# Altium PCB RK_NVR_DEMO1_RK3588_LP4XD200P232SD8_V21_20211228_final_lint.PcbDoc (part 19 of 29) (continued)
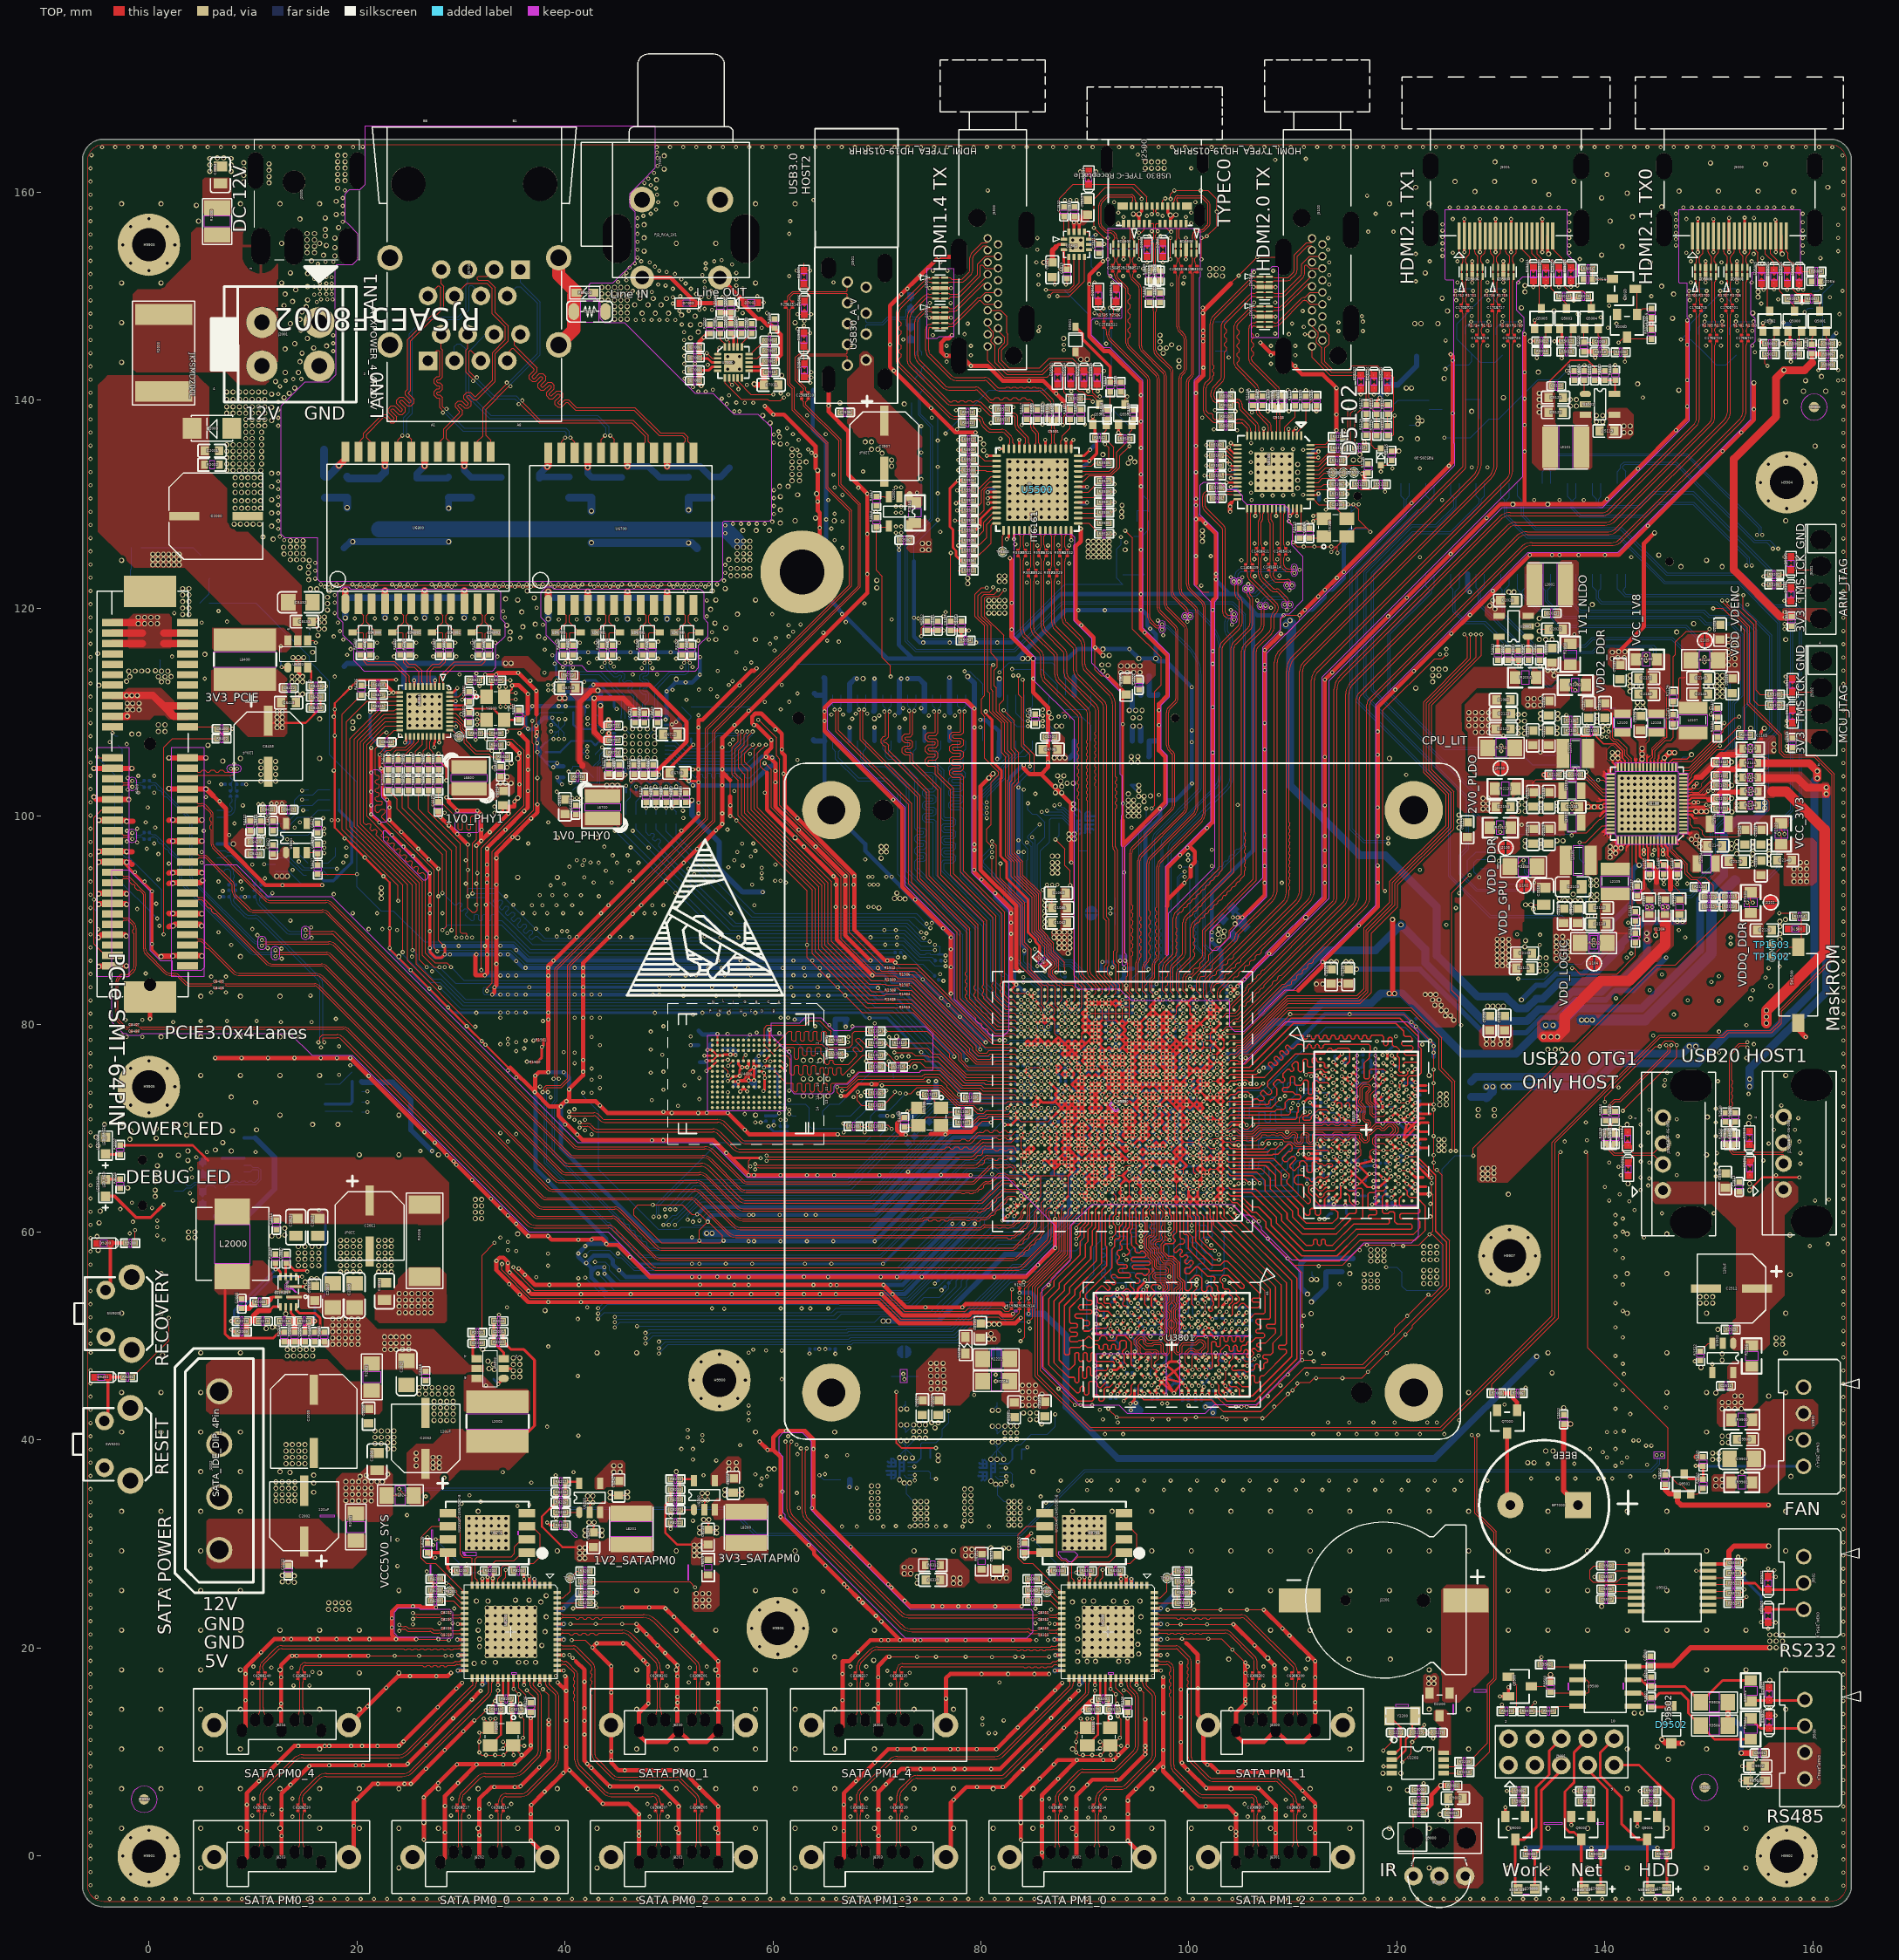
[diagram p0: TOP view]
## Nets (pads, with @x,y where several pads share a name; then routed paths per layer and width w, separated by ;. In a path a pad name is that pad's centre, name@x,y a point inside that pad or via, vN(x,y) a via of type N, cw(c..) or ccw(c..) an arc to the next point about the centre after c; other vN are vias at no path point) (continued)
  L6-S2 w0.089: 86.148,59.559 87.164,60.575 ; 88.079,61.794 88.079,62.04 88.155,62.116 88.155,64.115 88.82,64.781 v4(89.065,64.781)
  L6-S2 w0.102: v4(82.999,54.496) 83.303,54.496 83.507,54.699 84.116,54.699 86.148,56.731 86.148,59.559 ; 87.164,60.575 87.672,61.083 87.672,61.388 88.079,61.794
  other v3: 82.999,54.496 89.065,64.781
  other v12: 82.999,54.496 89.065,64.781
N16138422: D5003.2 R5013.1 R5019.1 | length 3.1
  TOP w0.254: R5013.1@136.496,149.981 136.602,149.981 v4(136.993,149.59) 137.384,149.981 R5019.1@137.494,149.981
  BOTTOM w0.254: D5003.2@135.467,150.156 136.427,150.156 v4(136.993,149.59)
  other v3: 136.993,149.59
N16170615: D1500.1 R1514.2 SW1500.1 TP1502.1 | length 6.1
  TOP w0.102: TP1502.1@156.049,86.5 156.963,87.414 SW1500.1@158.589,87.414 158.919,87.745 D1500.1@158.919,89.161 158.919,90.139 R1514.2@159.141,90.361
N16183282: L2500.2 R2508.2 R2509.1 | length 1.3
  TOP w0.084: R2508.2@96.207,150.298 96.536,150.627 ccw(c96.351,150.813) 96.613,150.813 96.613,150.937 ccw(c96.021,150.937) L2500.2@96.439,151.356
N16183296: L2500.4 R2506.1 R2507.2 | length 1.3
  TOP w0.084: L2500.4@96.99,151.356 ccw(c97.408,150.937) 96.816,150.937 96.816,150.813 ccw(c97.078,150.813) 96.893,150.627 R2507.2@97.223,150.298
N16185430: L2502.4 R2524.2 R2525.1 | length 1.7
  TOP w0.084: R2525.1@140.061,69.399 140.061,69.691 140.145,69.775 140.333,69.775 140.417,69.859 140.417,70.356 R2524.2@140.061,70.711
N16185436: L2502.2 R2522.1 R2523.2 | length 1.7
  TOP w0.084: R2522.1@140.976,69.399 140.976,69.691 140.892,69.775 140.704,69.775 140.62,69.859 140.62,70.356 R2523.2@140.976,70.711
N16185534: L2503.4 R2530.2 R2531.1 | length 1.5
  TOP w0.084: R2531.1@151.618,69.373 151.618,69.478 151.974,69.833 151.974,70.229 R2530.2@151.618,70.584
N16185540: L2503.2 R2527.1 R2528.2 | length 1.5
  TOP w0.084: R2527.1@152.533,69.373 152.533,69.478 152.177,69.833 152.177,70.229 R2528.2@152.533,70.584
N16213943: Q5005.2 R5021.2 R5023.2 | length 2.3
  TOP w0.102: R5023.2@134.345,144.688 R5021.2@134.345,145.663 134.345,146.706 Q5005.2@134.545,146.905
N16214662: Q5003.2 R5012.2 R5015.2 | length 2.3
  TOP w0.102: R5015.2@136.75,144.647 R5012.2@136.75,145.676 136.75,146.706 Q5003.2@136.949,146.905
N16214690: C5005.2 Q5004.2 R5018.2 R5020.2 | length 3.6
  TOP w0.102: Q5004.2@139.356,146.905 139.356,146.214 C5005.2@139.938,145.631 139.968,145.601 R5018.2@139.968,144.634 141.051,144.634 R5020.2@141.07,144.615
N16215512: Q5002.2 R5009.2 R5011.2 | length 2.3
  TOP w0.102: R5011.2@156.296,144.412 156.291,144.417 R5009.2@156.291,145.409 156.291,146.452 Q5002.2@156.491,146.651
N16223203: R4734.2 U4700.57 | length 3.2
  BOTTOM w0.102: R4734.2@85.785,114.135 85.843,114.135 87.37,112.609 U4700.57@87.37,111.636
N16223207: R4736.2 U4700.59 | length 2.6
  BOTTOM w0.102: R4736.2@88.021,114.135 88.021,113.268 88.169,113.119 U4700.59@88.169,111.636
N16223211: R4735.1 U4700.58 | length 3.4
  TOP w0.102: R4735.1@85.234,108.91 85.481,109.157 v4(85.945,109.157)
  BOTTOM w0.102: v4(85.945,109.157) 86.148,109.157 87.37,107.935 U4700.58@87.37,107.236
  other v3: 85.945,109.157
N16380820: R5534.1 U5500.15 | length 2.4
  TOP w0.102: U5500.15@89.362,128.157 90.37,128.157 R5534.1@91.388,127.14
N16380832: R5535.1 U5500.16 | length 2.2
  TOP w0.102: U5500.16@89.362,128.657 90.887,128.657 R5535.1@91.388,128.156
N16380844: R5536.1 U5500.17 | length 2
  TOP w0.102: U5500.17@89.362,129.157 91.373,129.157 R5536.1@91.388,129.172
N16380856: R5537.1 U5500.18 | length 2.2
  TOP w0.102: U5500.18@89.362,129.657 90.857,129.657 R5537.1@91.388,130.188
N16380868: R5541.1 U5500.21 | length 2.5
  TOP w0.102: U5500.21@89.362,131.157 90.325,131.157 R5541.1@91.388,132.22
N16380872: R5539.1 U5500.20 | length 2.3
  TOP w0.102: U5500.20@89.362,130.657 90.841,130.657 R5539.1@91.388,131.204
N16380906: TP5500.1 U5500.1 | length 2.1
  TOP w0.102: TP5500.1@82.084,125.413 82.084,126.937 82.187,127.04 U5500.1@82.187,127.482
N16381471: R5511.1 R5556.1 U5500.56 | length 5.7
  TOP w0.102: R5511.1@79.283,123.596 R5556.1@79.283,124.562 80.967,126.245 80.967,127.953 81.171,128.157 U5500.56@81.512,128.157
N16381480: R5510.1 U5500.55 | length 4.3
  TOP w0.102: R5510.1@79.283,125.527 80.56,126.804 80.56,128.054 81.163,128.657 U5500.55@81.512,128.657
N16381489: R5508.1 U5500.54 | length 3.8
  TOP w0.102: R5508.1@79.283,126.492 80.255,127.464 80.255,128.258 81.155,129.157 U5500.54@81.512,129.157
N16382688: R5531.1 U5500.31 | length 3.2
  TOP w0.102: U5500.31@87.687,135.332 87.687,136.095 87.837,136.246 87.837,136.568 88.587,137.317 R5531.1@88.587,138.171
N16383026: R5538.1 U5500.26 | length 2.1
  TOP w0.102: U5500.26@89.362,133.657 90.633,133.657 90.923,133.947 R5538.1@91.388,133.947
N16397911: C5515.2 R5553.2 R5554.1 U5501.5 | length 3.6
  TOP w0.254: C5515.2@77.106,117.851 R5553.2@78.122,117.851 ; R5554.1@78.078,116.878 78.122,116.922 R5553.2@78.122,117.851 ; v4(78.833,117.851) R5553.2@78.122,117.851
  BOTTOM w0.254: U5501.5@77.975,117.691 78.673,117.691 v4(78.833,117.851)
  other v3: 78.833,117.851
N16397919: C5531.1 R5552.2 U5501.1 | length 2.9
  TOP w0.254: R5552.2@74.871,117.851 C5531.1@75.887,117.851 v4(76.42,117.851)
  BOTTOM w0.254: U5501.1@75.175,117.691 76.235,117.691 76.395,117.851 v4(76.42,117.851)
  other v3: 76.42,117.851
N16397971: L5501.1 U5501.3
N16398461: C5504.2 Q5500.1 R5545.2 R5546.1 | length 3.8
  BOTTOM w0.102: C5504.2@95.031,128.359 R5545.2@95.031,129.375 96.047,129.375 R5546.1@96.105,129.317 96.105,130.343 Q5500.1@95.633,130.815
N16398493: Q5503.3 R5546.2 | length 2.6
  BOTTOM w0.102: Q5503.3@94.683,126.919 95.478,126.919 96.105,127.546 R5546.2@96.105,128.417
N16398519: C5512.1 Q5503.1 R5549.2 R5551.1 | length 3.6
  BOTTOM w0.102: R5549.2@93.667,123.221 C5512.1@94.683,123.221 R5551.1@95.699,123.221 95.633,123.287 Q5503.1@95.633,124.719
N16404713: D5501.2 R5543.1 R5548.1 | length 7.7
  TOP w0.305: D5501.2@89.095,147.034 89.806,146.323 89.806,145.834 92.447,143.193 R5543.1@92.447,141.712 R5548.1@93.463,141.712
N16955658: Q9501.3 R9902.2 R9905.2 U9900.4 | length 14.4
  TOP w0.254: Q9501.3@147.616,36.726 148.091,36.252 R9902.2@149.445,36.252 R9905.2@149.445,37.485 149.401,37.529 v4(148.734,37.529)
  BOTTOM w0.254: v4(148.734,37.529) 148.937,37.529 148.988,37.478 U9900.4@159.097,37.478
  other v3: 148.734,37.529
N17187559: C2526.1 R2539.1 U2500.1
N17187562: R2511.1 U2500.3 | length 1.2
  BOTTOM w0.102: U2500.3@102.558,147.548 103.515,147.548 R2511.1@103.674,147.707
N17187928: R2532.1 U2502.3 | length 1.5
  TOP w0.102: R2532.1@149.191,48.545 149.946,49.3 U2502.3@150.332,49.3
N17193768: Q1700.3 R1700.2 R1701.2 | length 4
  TOP w0.102: R1701.2@152.592,147.155 v4(152.592,147.562) ; R1700.2@154.286,147.155 v4(154.286,147.562)
  BOTTOM w0.102: Q1700.3@151.993,146.276 151.993,146.962 v4(152.592,147.562) v4(154.286,147.562)
  other v3: 152.592,147.562 154.286,147.562
N17305163: C8430.2 Q8400.1 R8428.2 R8432.1 | length 3.4
  BOTTOM w0.102: Q8400.1@-1.763,122.419 -1.763,123.705 C8430.2@-1.66,123.808 R8428.2@-1.66,124.786 -1.66,125.804 R8432.1@-1.661,125.805
N17305172: Q8401.3 R8432.2 | length 6
  BOTTOM w0.102: R8432.2@-0.761,125.805 4.225,125.805 Q8401.3@4.935,125.095
N17305178: Q8401.1 R8434.2 R8435.1 | length 2.8
  BOTTOM w0.102: R8434.2@4.907,120.494 5.807,121.394 R8435.1@5.807,121.542 5.807,122.816 Q8401.1@5.885,122.895
N17305199: R8429.2 R8431.1 U8402.4 | length 2.7
  TOP w0.102: U8402.4@15.266,116.889 15.831,116.889 v4(16.044,116.675)
  BOTTOM w0.102: R8431.1@15.435,117.647 15.435,116.631 R8429.2@15.377,116.574 15.943,116.574 v4(16.044,116.675)
  other v3: 16.044,116.675
N17305210: C8428.2 L8400.1 U8402.6 | length 0.5
  BOTTOM w0.203: C8428.2@12.691,115.804 v4(12.691,116.33)
  other v3: 12.691,116.33
N17305211: C8428.1 U8402.1 | length 1.2
  TOP w0.203: v4(12.765,114.325) 12.802,114.289 U8402.1@13.366,114.289
  BOTTOM w0.203: C8428.1@12.691,114.904 12.691,114.399 v4(12.765,114.325)
  other v3: 12.765,114.325
N17305212: C8434.2 R8430.2 R8433.1 U8402.3 | length 4
  TOP w0.203: U8402.3@15.266,114.289 15.606,113.949 R8433.1@15.606,112.493 R8430.2@15.606,111.46 C8434.2@15.606,110.405
N17373501: IR9000.1 J9000.1 R9000.2 R9001.2 | length 7.3
  TOP w0.102: IR9000.1@121.59,-1.922 J9000.1@121.59,1.735 121.59,4.141 R9000.2@121.662,4.214 R9001.2@121.662,5.313
N17430508: C2026.1 R2015.2 R2016.1 | length 2
  TOP w0.508: R2015.2@12.996,49.474 R2016.1@14.012,49.474 C2026.1@15.028,49.474
N17430572: R2016.2 R2017.2 R2018.1 U2000.11 | length 3.6
  TOP w0.254: U2000.11@13.654,52.817 13.654,52.213 14.012,51.854 14.012,51.597
  TOP w0.508: R2018.1@13.446,51.448 14.012,51.448 ; R2016.2@14.012,50.374 14.012,51.448 ; 14.012,51.597 14.012,51.448 ; R2017.2@14.476,51.448 14.012,51.448
N17433473: C2019.1 R2009.1 R2019.1 U2000.9 | length 5.6
  TOP w0.254: 11.574,52.464 11.927,52.817 U2000.9@12.654,52.817
  TOP w0.508: R2009.1@9.382,50.432 R2019.1@9.382,51.448 10.05,51.448 ; C2019.1@10.514,51.448 10.05,51.448 ; 11.574,52.464 10.558,52.464 10.05,51.956 10.05,51.448
N17433988: R2019.2 R2020.1 U2000.6 | length 8.9
  TOP w0.254: v4(7.916,51.448) R2019.2@8.482,51.448 ; R2020.1@12.183,56.992 v4(12.183,56.426) 12.387,56.426 12.654,56.159 U2000.6@12.654,55.717
  BOTTOM w0.254: v4(7.916,51.448) 8.221,51.753 8.221,52.464 v4(12.183,56.426)
  other v3: 7.916,51.448 12.183,56.426
N17435178: C2030.1 R2021.2 U2002.4 | length 2.7
  TOP w0.254: R2021.2@31.124,50.327 31.124,49.329 C2030.1@31.139,49.314 31.139,48.195 U2002.4@31.508,47.826
N17435180: C2029.2 L2002.1 U2002.6 | length 0.7
  BOTTOM w0.254: C2029.2@32.256,45.86 32.256,45.396 v4(32.402,45.25)
  other v3: 32.402,45.25
N17435182: C2029.1 U2002.1 | length 1.4
  TOP w0.254: v4(33.603,45.395) 33.603,45.421 U2002.1@34.108,45.926
  BOTTOM w0.254: C2029.1@33.157,45.86 33.578,45.439 33.578,45.421 v4(33.603,45.395)
  other v3: 33.603,45.395
N17435196: C2031.2 R2022.2 R2023.1 U2002.3 | length 4
  TOP w0.254: R2023.1@33.171,51.448 C2031.2@33.171,50.432 33.134,50.395 R2022.2@33.134,49.409 34.108,48.434 U2002.3@34.108,47.826
N17657144: D5102.2 R5137.1 R5139.1 | length 4.3
  TOP w0.102: R5137.1@117.035,138.679 R5139.1@117.035,137.547 117.543,137.039 117.543,135.674 117.86,135.357 D5102.2@118.457,135.357
N17758514: L2201.1 U2201.D3 U2201.D4 U2201.E3 U2201.E4 | length 3.1
  BOTTOM w0.203: 71.061,37.503 71.115,37.449 U2201.E3@71.384,37.449 ; 71.061,37.91 71.121,37.849 U2201.E4@71.384,37.849 ; 71.365,38.215 71.384,38.196 U2201.E4@71.384,37.849 ; 71.569,38.215 71.784,37.999 U2201.D4@71.784,37.849 ; U2201.E3@71.384,37.449 U2201.D3@71.784,37.449 U2201.D4@71.784,37.849 ; U2201.E3@71.384,37.449 U2201.E4@71.384,37.849 ; U2201.E4@71.384,37.849 U2201.D4@71.784,37.849
N17758921: L2200.1 U2200.D3 U2200.D4 U2200.E3 U2200.E4 | length 3.1
  BOTTOM w0.203: 79.849,37.376 79.903,37.322 U2200.E3@80.173,37.322 ; 79.849,37.783 79.909,37.722 U2200.E4@80.173,37.722 ; 80.154,38.088 80.173,38.069 U2200.E4@80.173,37.722 ; 80.357,38.088 80.573,37.872 U2200.D4@80.573,37.722 ; U2200.E3@80.173,37.322 U2200.D3@80.573,37.322 U2200.D4@80.573,37.722 ; U2200.E3@80.173,37.322 U2200.E4@80.173,37.722 ; U2200.E4@80.173,37.722 U2200.D4@80.573,37.722
N17759951: L2202.1 U2202.D3 U2202.D4 U2202.E3 U2202.E4 | length 3.2
  BOTTOM w0.203: 90.009,98.387 90.047,98.426 U2202.D4@90.047,98.778 ; 90.517,98.387 90.447,98.457 U2202.E4@90.447,98.778 ; 90.822,98.692 90.736,98.778 U2202.E4@90.447,98.778 ; 90.822,99.2 90.8,99.178 U2202.E3@90.447,99.178 ; U2202.D4@90.047,98.778 U2202.D3@90.047,99.178 U2202.E3@90.447,99.178 ; U2202.D4@90.047,98.778 U2202.E4@90.447,98.778 ; U2202.E4@90.447,98.778 U2202.E3@90.447,99.178
N17813379: C5003.1 Q5001.1 R5025.2 | length 2.4
  TOP w0.102: Q5001.1@160.001,146.651 160.001,146.07 159.91,145.979 R5025.2@159.91,145.37 160.926,145.37 C5003.1@160.984,145.428
N17814519: C5005.1 Q5004.1 R5026.2 | length 2.5
  TOP w0.102: Q5004.1@138.056,146.905 137.964,146.814 R5026.2@137.964,145.573 138.98,145.573 C5005.1@139.038,145.631
N17849645: C2229.1 U2203.2 Y2200.1 | length 5.4
  TOP w0.203: U2203.2@119.504,9.278 119.949,9.278 120.845,10.173 120.845,11.239 C2229.1@121.476,11.87 121.476,13.167 Y2200.1@121.773,13.464
N17849647: C2227.1 U2203.1 Y2200.2 | length 4.6
  TOP w0.203: Y2200.2@119.273,13.464 120.36,12.377 C2227.1@120.36,11.87 120.36,10.4 119.888,9.928 U2203.1@119.504,9.928
N17849654: D2200.1 J2201.1
N17951577: D9502.2 R9501.1 | length 2
  TOP w0.254: R9501.1@144.442,14.339 146.299,14.339 D9502.2@146.397,14.437
N18040869: TP6700.1 U6701.31 | length 1.2
  BOTTOM w0.102: TP6700.1@43.899,104.561 44.511,105.172 U6701.31@44.81,105.172
N18070280: Q5007.1 R5004.1 R5027.1 | length 2.6
  TOP w0.102: R5004.1@160.78,152.362 160.766,152.347 R5027.1@160.766,151.422 160.766,150.871 v4(160.824,150.813)
  BOTTOM w0.102: Q5007.1@159.927,150.472 160.484,150.472 v4(160.824,150.813)
  other v3: 160.824,150.813
N18070705: Q5006.1 Q5007.3 R5005.2 | length 6.5
  BOTTOM w0.102: R5005.2@160.984,145.428 160.961,145.45 Q5006.1@160.961,146.665 160.961,150.256 Q5007.3@162.127,151.422
N18073020: Q5009.1 R5016.1 R5028.1 | length 2.9
  TOP w0.102: R5016.1@138.835,152.616 138.821,152.601 R5028.1@138.821,151.626 140.689,151.626 Q5009.1@140.725,151.661
N18073062: Q5008.1 Q5009.3 R5017.2 | length 4.1
  TOP w0.102: Q5009.3@142.925,150.711 143.08,150.556 Q5008.1@143.08,148.255 143.649,148.824 R5017.2@144.467,148.824
N18076942: TP6800.1 U6801.31 | length 1.2
  TOP w0.102: U6801.31@28.909,108.271 29.208,108.271 TP6800.1@29.82,107.659
N18256405: R2517.1 U2501.3 | length 1.2
  TOP w0.102: R2517.1@69.943,130.74 70.661,130.74 70.705,130.696 U2501.3@71.143,130.696
N18723455: R9503.1 R9505.1 R9508.1 U9500.7 | length 13.1
  TOP w0.254: U9500.7@142.708,16.953 143.503,16.953 144.136,16.32 R9508.1@144.442,16.32 147.689,16.32 R9505.1@149.222,14.787 151.323,16.888 R9503.1@154.017,16.888
N18723469: R9501.2 R9504.1 R9506.1 U9500.6 | length 14.2
  TOP w0.254: U9500.6@142.708,15.683 143.553,15.683 143.998,15.239 R9501.2@144.442,15.239 144.834,15.239 145.279,15.685 147.311,15.685 148.023,14.974 148.023,13.751 R9506.1@149.222,12.552 150.544,11.23 R9504.1@154.017,11.23
N19738883: Q1701.3 R1702.2 R1703.2 | length 2.7
  TOP w0.102: R1703.2@148.09,150.076 v3@148.09,150.502 ; R1702.2@149.784,150.076 v4(149.784,150.502)
  BOTTOM w0.102: v4(148.09,150.502) 148.335,150.747 Q1701.3@149.021,150.747 149.54,150.747 v4(149.784,150.502)
  other v3: 148.09,150.502 149.784,150.502
N19738907: Q1702.3 R1704.2 R1705.2 | length 4
  TOP w0.102: R1705.2@149.59,147.155 v4(149.59,147.562) ; R1704.2@151.284,147.155 v4(151.284,147.562)
  BOTTOM w0.102: Q1702.3@149.021,146.327 149.021,146.993 v4(149.59,147.562) v4(151.284,147.562)
  other v3: 149.59,147.562 151.284,147.562
N19738939: Q1703.3 R1706.2 R1707.2 | length 2.8
  TOP w0.102: R1707.2@151.092,150.076 v4(151.092,150.508) ; R1706.2@152.786,150.076 v4(152.786,150.508)
  BOTTOM w0.102: v4(151.092,150.508) 151.098,150.508 151.337,150.747 Q1703.3@151.993,150.747 152.541,150.747 152.78,150.508 v4(152.786,150.508)
  other v3: 151.092,150.508 152.786,150.508
N20545932: Q1704.3 R1709.2 R1710.2 | length 4
  TOP w0.102: R1710.2@130.138,147.155 v4(130.139,147.556) ; R1709.2@131.833,147.155 v4(131.833,147.556)
  BOTTOM w0.102: Q1704.3@129.539,146.276 129.539,146.957 v4(130.139,147.556) v4(131.833,147.556)
  other v3: 130.139,147.556 131.833,147.556
N20545988: Q1705.3 R1711.2 R1712.2 | length 2.8
  TOP w0.102: R1712.2@125.636,150.076 v4(125.636,150.508) ; R1711.2@127.33,150.076 v4(127.33,150.508)
  BOTTOM w0.102: v4(125.636,150.508) 125.875,150.747 Q1705.3@126.567,150.747 127.092,150.747 v4(127.33,150.508)
  other v3: 125.636,150.508 127.33,150.508
N20545992: Q1706.3 R1713.2 R1714.2 | length 4
  TOP w0.102: R1714.2@127.136,147.155 v4(127.136,147.556) ; v4(128.825,147.556) 128.83,147.551 R1713.2@128.83,147.155
  BOTTOM w0.102: Q1706.3@126.567,146.327 126.567,146.988 v4(127.136,147.556) v4(128.825,147.556)
  other v3: 127.136,147.556 128.825,147.556
N20546000: Q1707.3 R1715.2 R1716.2 | length 2.7
  TOP w0.102: R1716.2@128.639,150.076 v4(128.639,150.502) ; R1715.2@130.333,150.076 v4(130.333,150.502)
  BOTTOM w0.102: v4(128.639,150.502) 128.883,150.747 Q1707.3@129.539,150.747 130.088,150.747 v3@130.332,150.502
  other v3: 128.639,150.502 130.333,150.502
N21016906: C1101.1 R1100.1 Y1100.1 | length 3.3
  TOP w0.102: C1101.1@75.524,73.216 75.524,72.607 Y1100.1@76.174,71.957 76.567,71.565 R1100.1@77.799,71.565
N21604892: Q9001.1 R9007.2 R9010.1 | length 2.5
  TOP w0.102: R9007.2@144.891,6.261 R9010.1@144.891,5.245 145.027,5.11 Q9001.1@145.027,3.801
N21604980: Q9002.1 R9008.2 R9011.1 | length 2.5
  TOP w0.102: R9008.2@138.541,6.261 R9011.1@138.541,5.245 138.677,5.11 Q9002.1@138.677,3.801
N21605068: Q9000.1 R9006.2 R9009.1 | length 2.5
  TOP w0.102: R9006.2@132.191,6.261 R9009.1@132.191,5.245 132.327,5.11 Q9000.1@132.327,3.801
N21605777: Q7000.1 R7005.2 R7006.1 | length 2.9
  TOP w0.406: R7005.2@130.028,44.504 R7006.1@131.148,44.504 131.148,44.041 131.552,43.636 Q7000.1@131.552,42.874
N21605860: BP7000.2 Q7000.3 | length 7.1
  TOP w0.406: Q7000.3@130.602,40.674 130.602,34.05 BP7000.2@130.904,33.748
N21607391: C7005.1 U7000.12 | length 1.7
  TOP w0.254: U7000.12@57.702,143.225 58.727,143.225 C7005.1@59.231,143.729
N21607575: C7004.1 U7000.14 | length 1.8
  TOP w0.102: U7000.14@57.702,144.025 58.514,144.025 C7004.1@59.231,144.742
N21607578: C7003.1 U7000.15 | length 2.1
  TOP w0.102: U7000.15@57.702,144.425 57.898,144.425 C7003.1@59.231,145.758
N21607622: C7002.1 U7000.16 | length 1.7
  TOP w0.102: U7000.16@57.002,145.125 57.002,145.448 C7002.1@57.98,146.426
N21607655: C7000.1 U7000.18 | length 1.4
  TOP w0.254: C7000.1@55.948,146.426 56.202,146.172 U7000.18@56.202,145.125
N21607662: C7001.1 U7000.17 | length 1.5
  TOP w0.102: U7000.17@56.602,145.125 56.602,146.064 C7001.1@56.964,146.426
N21615493: R9502.2 U9500.1 | length 2.7
  TOP w0.102: R9502.2@134.695,18.421 134.893,18.223 U9500.1@137.358,18.223
N21615495: R9507.2 U9500.4 | length 2.5
  TOP w0.102: R9507.2@135.051,13.921 135.543,14.413 U9500.4@137.358,14.413
N21615510: Q9500.3 R9500.2 U9500.2 U9500.3 | length 8
  TOP w0.102: Q9500.3@132.922,16.313 134.25,16.313 R9500.2@134.772,15.79 134.879,15.683 U9500.3@137.358,15.683 138.369,15.683 138.472,15.786 138.472,16.701 138.219,16.953 U9500.2@137.358,16.953
N21615528: Q9500.1 R9509.2 R9510.1 | length 5
  TOP w0.102: Q9500.1@130.722,17.263 131.513,16.472 131.513,14.434 R9510.1@131,13.921 R9509.2@132.084,13.921
N21615703: C9501.1 R9505.2 R9506.2 | length 7.8
  TOP w0.508: R9506.2@151.822,12.552 v8(151.822,13.653) R9505.2@151.822,14.787 ; v8(153.103,9.907) C9501.1@154.428,9.907
  BOTTOM w0.508: v8(151.822,13.653) 153.103,12.372 v8(153.103,9.907)
  other v7: 153.103,9.907 151.822,13.653
N21615728: C9501.2 C9502.1 FB9500.1 J9500.3 J9500.4
N21617958: C9503.2 U9501.1 | length 2.5
  TOP w0.102: C9503.2@140.567,27.919 140.733,28.085 U9501.1@143.008,28.085
N21617961: C9503.1 U9501.3 | length 6.9
  TOP w0.102: C9503.1@139.667,27.919 138.956,27.919 138.574,27.537 138.574,26.658 138.879,26.353 141.139,26.353 141.571,26.785 U9501.3@143.008,26.785
N21617992: C9504.2 U9501.2 | length 2.7
  TOP w0.102: C9504.2@140.567,26.864 141.138,27.435 U9501.2@143.008,27.435
N21618021: C9506.2 U9501.4 | length 3.5
  TOP w0.102: C9506.2@139.679,25.657 140.156,26.135 U9501.4@143.008,26.135
N21618024: C9506.1 U9501.5 | length 2.5
  TOP w0.102: C9506.1@140.579,25.657 140.752,25.485 U9501.5@143.008,25.484
N21618065: C9507.2 U9501.6 | length 2.5
  TOP w0.102: C9507.2@140.567,24.692 140.71,24.835 U9501.6@143.008,24.834
N21619259: R9511.1 U9501.14 | length 2.2
  TOP w0.102: U9501.14@149.908,26.785 151.482,26.785 R9511.1@151.905,27.207
N21619262: R9512.1 U9501.13 | length 2
  TOP w0.102: U9501.13@149.908,26.135 151.798,26.135 R9512.1@151.905,26.242
N21706207: R9513.1 U9501.12 | length 2.1
  TOP w0.102: U9501.12@149.908,25.484 151.698,25.485 R9513.1@151.905,25.277
N21706210: R9514.1 U9501.11 | length 2.2
  TOP w0.102: U9501.11@149.908,24.834 151.383,24.835 R9514.1@151.905,24.312
N21706664: ED9501.1 J9500.1 R9503.2 | length 5.3
  TOP w0.254: R9503.2@154.017,14.888 154.087,14.958 155.701,14.958 ED9501.1@155.815,14.958 159.135,14.958 J9500.1@159.22,15.043
N21706689: ED9500.1 J9500.2 R9504.2 | length 5.7
  TOP w0.254: R9504.2@154.017,13.23 154.974,12.273 ED9500.1@155.815,12.273 158.99,12.273 J9500.2@159.22,12.503
N21724674: C6702.1 C6703.1 C6704.1 C6705.1 U6700.1 U6700.4 U6700.7 U6700.10 | length 18.9
  TOP w0.635: U6700.1@38.395,120.317 v8(38.395,121.603) ; U6700.4@42.205,120.317 v8(42.205,121.603) ; U6700.7@46.025,120.317 v8(46.025,121.603) ; U6700.10@49.835,120.317 v8(49.835,121.603)
  BOTTOM w0.635: v8(38.395,121.603) C6702.1@38.395,121.011 C6703.1@42.205,121.011 ; v8(42.205,121.603) C6703.1@42.205,121.011 ; v8(46.025,121.603) 46.015,121.593 C6705.1@46.015,121.011 ; v8(49.835,121.603) 49.825,121.593 C6704.1@49.825,121.011 C6705.1@46.015,121.011 ; C6703.1@42.205,121.011 C6705.1@46.015,121.011
  other v7: 38.395,121.603 42.205,121.603 46.025,121.603 49.835,121.603
N21725684: C6707.1 R6710.2 R6711.2 R6712.2 R6713.2 | length 23.3
  L6-S2 w0.762: v8(42.547,126.287) v8(42.547,129.335) ; v8(51.884,126.276) 51.884,129.426 v8(51.894,129.437)
  BOTTOM w0.762: R6713.2@40.414,130.628 R6712.2@42.547,130.628 v8(42.547,129.335) ; v8(42.547,126.287) 51.873,126.287 v8(51.884,126.276) 52.188,126.276 C6707.1@52.696,125.768 ; v8(51.894,129.437) R6711.2@51.894,130.628 R6710.2@54.028,130.628
  other v7: 42.547,126.287 51.884,126.276 42.547,129.335 51.894,129.437
  other v22: 42.547,126.287 51.884,126.276 42.547,129.335 51.894,129.437
N21738710: C6802.1 C6803.1 C6804.1 C6805.1 U6800.1 U6800.4 U6800.7 U6800.10 | length 19.4
  TOP w0.635: U6800.1@18.888,120.419 v8(18.888,121.704) ; U6800.4@22.698,120.419 v8(22.698,121.704) ; U6800.7@26.518,120.419 v8(26.518,121.704) ; U6800.10@30.328,120.419 v8(30.328,121.704)
  BOTTOM w0.635: v8(18.888,121.704) C6802.1@18.888,121.011 C6803.1@22.698,121.011 ; v8(22.698,121.704) C6803.1@22.698,121.011 ; v8(26.518,121.704) 26.508,121.694 C6804.1@26.508,121.011 ; v8(30.328,121.704) 30.318,121.694 C6805.1@30.318,121.011 C6804.1@26.508,121.011 ; C6803.1@22.698,121.011 C6804.1@26.508,121.011
  other v7: 18.888,121.704 22.698,121.704 26.518,121.704 30.328,121.704
N21738826: C6807.1 R6810.2 R6811.2 R6812.2 R6813.2 | length 23.3
  L6-S2 w0.635: v8(19.067,129.68) 19.067,126.922 v8(19.6,126.389) ; v8(28.831,126.389) v8(28.831,129.604)
  BOTTOM w0.635: C6807.1@18.762,125.768 19.382,126.389 v8(19.6,126.389) v8(28.831,126.389) ; v8(28.831,129.604) R6811.2@28.831,130.628
  BOTTOM w0.762: R6813.2@16.933,130.628 R6812.2@19.067,130.628 v8(19.067,129.68) ; R6811.2@28.831,130.628 R6810.2@30.965,130.628
  other v7: 19.6,126.389 28.831,126.389 28.831,129.604 19.067,129.68
  other v22: 19.6,126.389 28.831,126.389 28.831,129.604 19.067,129.68
N21750647: C6708.1 FB6700.2 J6700.1 J6700.2 J6700.3 J6700.4 | length 36.3
  TOP w1.27: J6700.1@39.414,145.318 40.855,146.759 C6708.1@40.855,148.513 40.855,150.061 FB6700.2@41.122,150.328 39.414,152.036 J6700.3@39.414,153.698
  L4-S1 w2.032: J6700.2@23.164,145.318 J6700.4@23.164,153.698 25.461,155.994 37.118,155.994 J6700.3@39.414,153.698
N21756849: C2004.1 R2000.2
N21892034: C2005.1 C2006.1 J2002.4 R2003.2
N21892112: C2002.1 C2003.1 J2002.1 R2001.2
N22236399: C9100.1 C9101.1 R9102.2 U9100.4 | length 4.6
  BOTTOM w0.305: U9100.4@16.959,72.307 19.35,72.307 C9101.1@19.554,72.511 C9100.1@19.554,73.527 R9102.2@19.554,74.473
N22236619: LED9100.2 R9103.1 | length 1.4
  TOP w0.305: LED9100.2@-4.174,65.05 -4.118,65.106 R9103.1@-2.752,65.106
N22236693: R9100.2 U9100.1 | length 3.1
  BOTTOM w0.102: U9100.1@16.959,74.257 18.388,74.257 R9100.2@19.556,75.426
N22236695: R9101.2 U9100.5 | length 2.6
  BOTTOM w0.102: U9100.5@16.959,71.657 19.461,71.657 R9101.2@19.554,71.565
N23213062: R1203.1 U1000.F18 | length 1
  TOP w0.089: v4(92.966,64.781) U1000.F18@93.291,65.106
  BOTTOM w0.089: v4(92.966,64.781) 93.146,64.961 R1203.1@93.416,64.961
  other v3: 92.966,64.781
N24141374: R1201.1 U1000.H7 | length 1.6
  TOP w0.119: U1000.H7@100.44,66.406 100.44,65.756 v4(100.766,65.431)
  BOTTOM w0.089: v4(100.766,65.431) 101.083,65.749 R1201.1@101.083,65.828
  other v3: 100.766,65.431
N63228233: R3817.1 U3801.T2 | length 1
  TOP w0.102: v1(95.1,53.123) 95.1,53.11 95.421,52.789 U3801.T2@95.421,52.756
  BOTTOM w0.102: v1(95.1,53.123) 95.347,53.37 R3817.1@95.347,53.505
N63228239: R3816.2 U3801.G2 | length 1.1
  TOP w0.102: v1(100.866,53.161) U3801.G2@101.271,52.756
  BOTTOM w0.102: v1(100.866,53.161) 101.134,53.429 R3816.2@101.134,53.56
N63228245: R3818.2 U3801.A5 | length 1.3
  TOP w0.102: U3801.A5@105.171,50.356 v1(105.496,50.681)
  BOTTOM w0.102: v1(105.496,50.681) 105.931,50.246 R3818.2@105.931,49.975
N63228247: R3819.2 U3801.A8 | length 2
  TOP w0.102: U3801.A8@105.171,47.956 105.171,47.817 105.427,47.562 106.062,47.562 106.29,47.79 v1(106.316,47.79)
  BOTTOM w0.102: R3819.2@105.804,47.816 105.829,47.79 v1(106.316,47.79)
N63380732: R3807.1 U3800.T2 | length 1
  TOP w0.102: v4(113.105,67.242) U3800.T2@113.441,66.906
  BOTTOM w0.102: R3807.1@112.675,67.374 112.973,67.374 v4(113.105,67.242)
  other v3: 113.105,67.242
N63380738: R3806.2 U3800.G2 | length 0.9
  TOP w0.102: v4(113.156,72.472) U3800.G2@113.441,72.757
  BOTTOM w0.102: R3806.2@112.662,72.454 113.138,72.454 v4(113.156,72.472)
  other v3: 113.156,72.472
N63380744: R3809.2 U3800.A5 | length 1
  TOP w0.102: U3800.A5@115.841,76.656 v4(116.166,76.981)
  BOTTOM w0.102: v4(116.166,76.981) 116.206,77.022 R3809.2@116.73,77.022
  other v3: 116.166,76.981
N63380746: R3810.2 U3800.A8 | length 0.9
  TOP w0.102: v4(117.936,76.961) U3800.A8@118.241,76.656
  BOTTOM w0.102: R3810.2@117.492,77.022 117.875,77.022 v4(117.936,76.961)
  other v3: 117.936,76.961
N65887084: R1200.2 U1000.W8 | length 1
  TOP w0.254: U1000.W8@99.791,73.556 v4(100.116,73.231)
  BOTTOM w0.254: v4(100.116,73.231) 100.116,72.841 R1200.2@100.224,72.733
  other v3: 100.116,73.231
OTG0_REXT: R1400.1 U1000.AP12 | length 1
  TOP w0.089: v4(96.865,82.981) U1000.AP12@97.191,83.306
  BOTTOM w0.089: R1400.1@96.41,83.126 96.72,83.126 v4(96.865,82.981)
  other v3: 96.865,82.981
OTG1_REXT: R1402.1 U1000.AP7 | length 0.9
  TOP w0.254: v4(100.115,83.631) U1000.AP7@100.44,83.306
  BOTTOM w0.089: v4(100.115,83.631) 100.118,83.634 R1402.1@100.601,83.634
  other v3: 100.115,83.631
PCADR: R5507.1 R5509.1 U5500.45 | length 3.4
  TOP w0.102: R5509.1@79.283,135.217 R5507.1@79.283,134.252 79.878,133.657 U5500.45@81.512,133.657
PCIE30_0_REF: R1800.1 U1000.B34 | length 0.9
  TOP w0.254: v4(82.566,62.181) U1000.B34@82.891,62.506
  BOTTOM w0.254: R1800.1@82.141,62.144 82.529,62.144 v4(82.566,62.181)
  other v3: 82.566,62.181
PCIE30_1_REF: R1801.1 U1000.A33 | length 1
  TOP w0.254: v4(83.216,61.531) U1000.A33@83.541,61.856
  BOTTOM w0.254: R1801.1@83.096,61.024 83.096,61.412 v4(83.216,61.531)
  other v3: 83.216,61.531
PCIE30_PORT0_REFCLKN_IN: R8416.2 R8418.1 U1000.E34 | length 87.1
  TOP w0.076: v4(15.06,88.491) cw(c15.464,88.087) 15.464,88.659 17.568,88.659 cw(c17.568,88.388) 17.759,88.579 39.786,66.553 ccw(c40.319,67.087) 40.319,66.332 53.059,66.332 cw(c53.059,65.399) 53.718,66.059 56.723,63.055 ccw(c57.395,63.728) 57.395,62.776 80.154,62.776 81.906,64.529 81.93,64.553 cw(c82.24,64.243) 82.24,64.681 82.973,64.681 83.049,64.605 83.049,64.532 82.973,64.456 U1000.E34@82.891,64.456
  BOTTOM w0.076: R8416.2@10.151,92.879 10.255,92.776 cw(c10.075,92.596) 10.329,92.596 10.329,92.494 cw(c10.155,92.495) 10.278,92.371 R8418.1@10.148,92.24 10.278,92.11 cw(c10.155,91.986) 10.329,91.986 ccw(c11.065,91.986) 10.545,91.466 13.187,88.824 ccw(c13.586,89.223) 13.586,88.659 14.656,88.659 cw(c14.656,88.087) v3@15.06,88.491
  other v3: 15.06,88.491
PCIE30_PORT0_REFCLKP_IN: R8415.2 R8419.1 U1000.E33 | length 87.1
  TOP w0.076: v4(15.06,89.056) ccw(c15.346,89.342) 15.346,88.938 17.568,88.938 cw(c17.568,88.388) 17.957,88.777 39.983,66.751 ccw(c40.319,67.087) 40.319,66.612 53.059,66.612 cw(c53.059,65.399) 53.916,66.257 56.92,63.253 ccw(c57.395,63.728) 57.395,63.056 80.038,63.056 81.71,64.728 81.733,64.751 cw(c82.24,64.243) 82.24,64.961 83.089,64.961 83.329,64.721 83.329,64.532 83.405,64.456 U1000.E33@83.541,64.456
  BOTTOM w0.076: R8415.2@10.786,92.879 10.683,92.776 ccw(c10.863,92.596) 10.609,92.596 10.609,92.494 ccw(c10.783,92.495) 10.66,92.371 R8419.1@10.79,92.24 10.66,92.11 ccw(c10.783,91.986) 10.609,91.986 ccw(c11.065,91.986) 10.742,91.664 13.384,89.022 ccw(c13.586,89.223) 13.586,88.938 14.774,88.938 ccw(c14.774,89.342) v3@15.06,89.056
  other v3: 15.06,89.056